# Altium PCB ARES_R30_Power.PcbDoc (part 3 of 3) (continued)
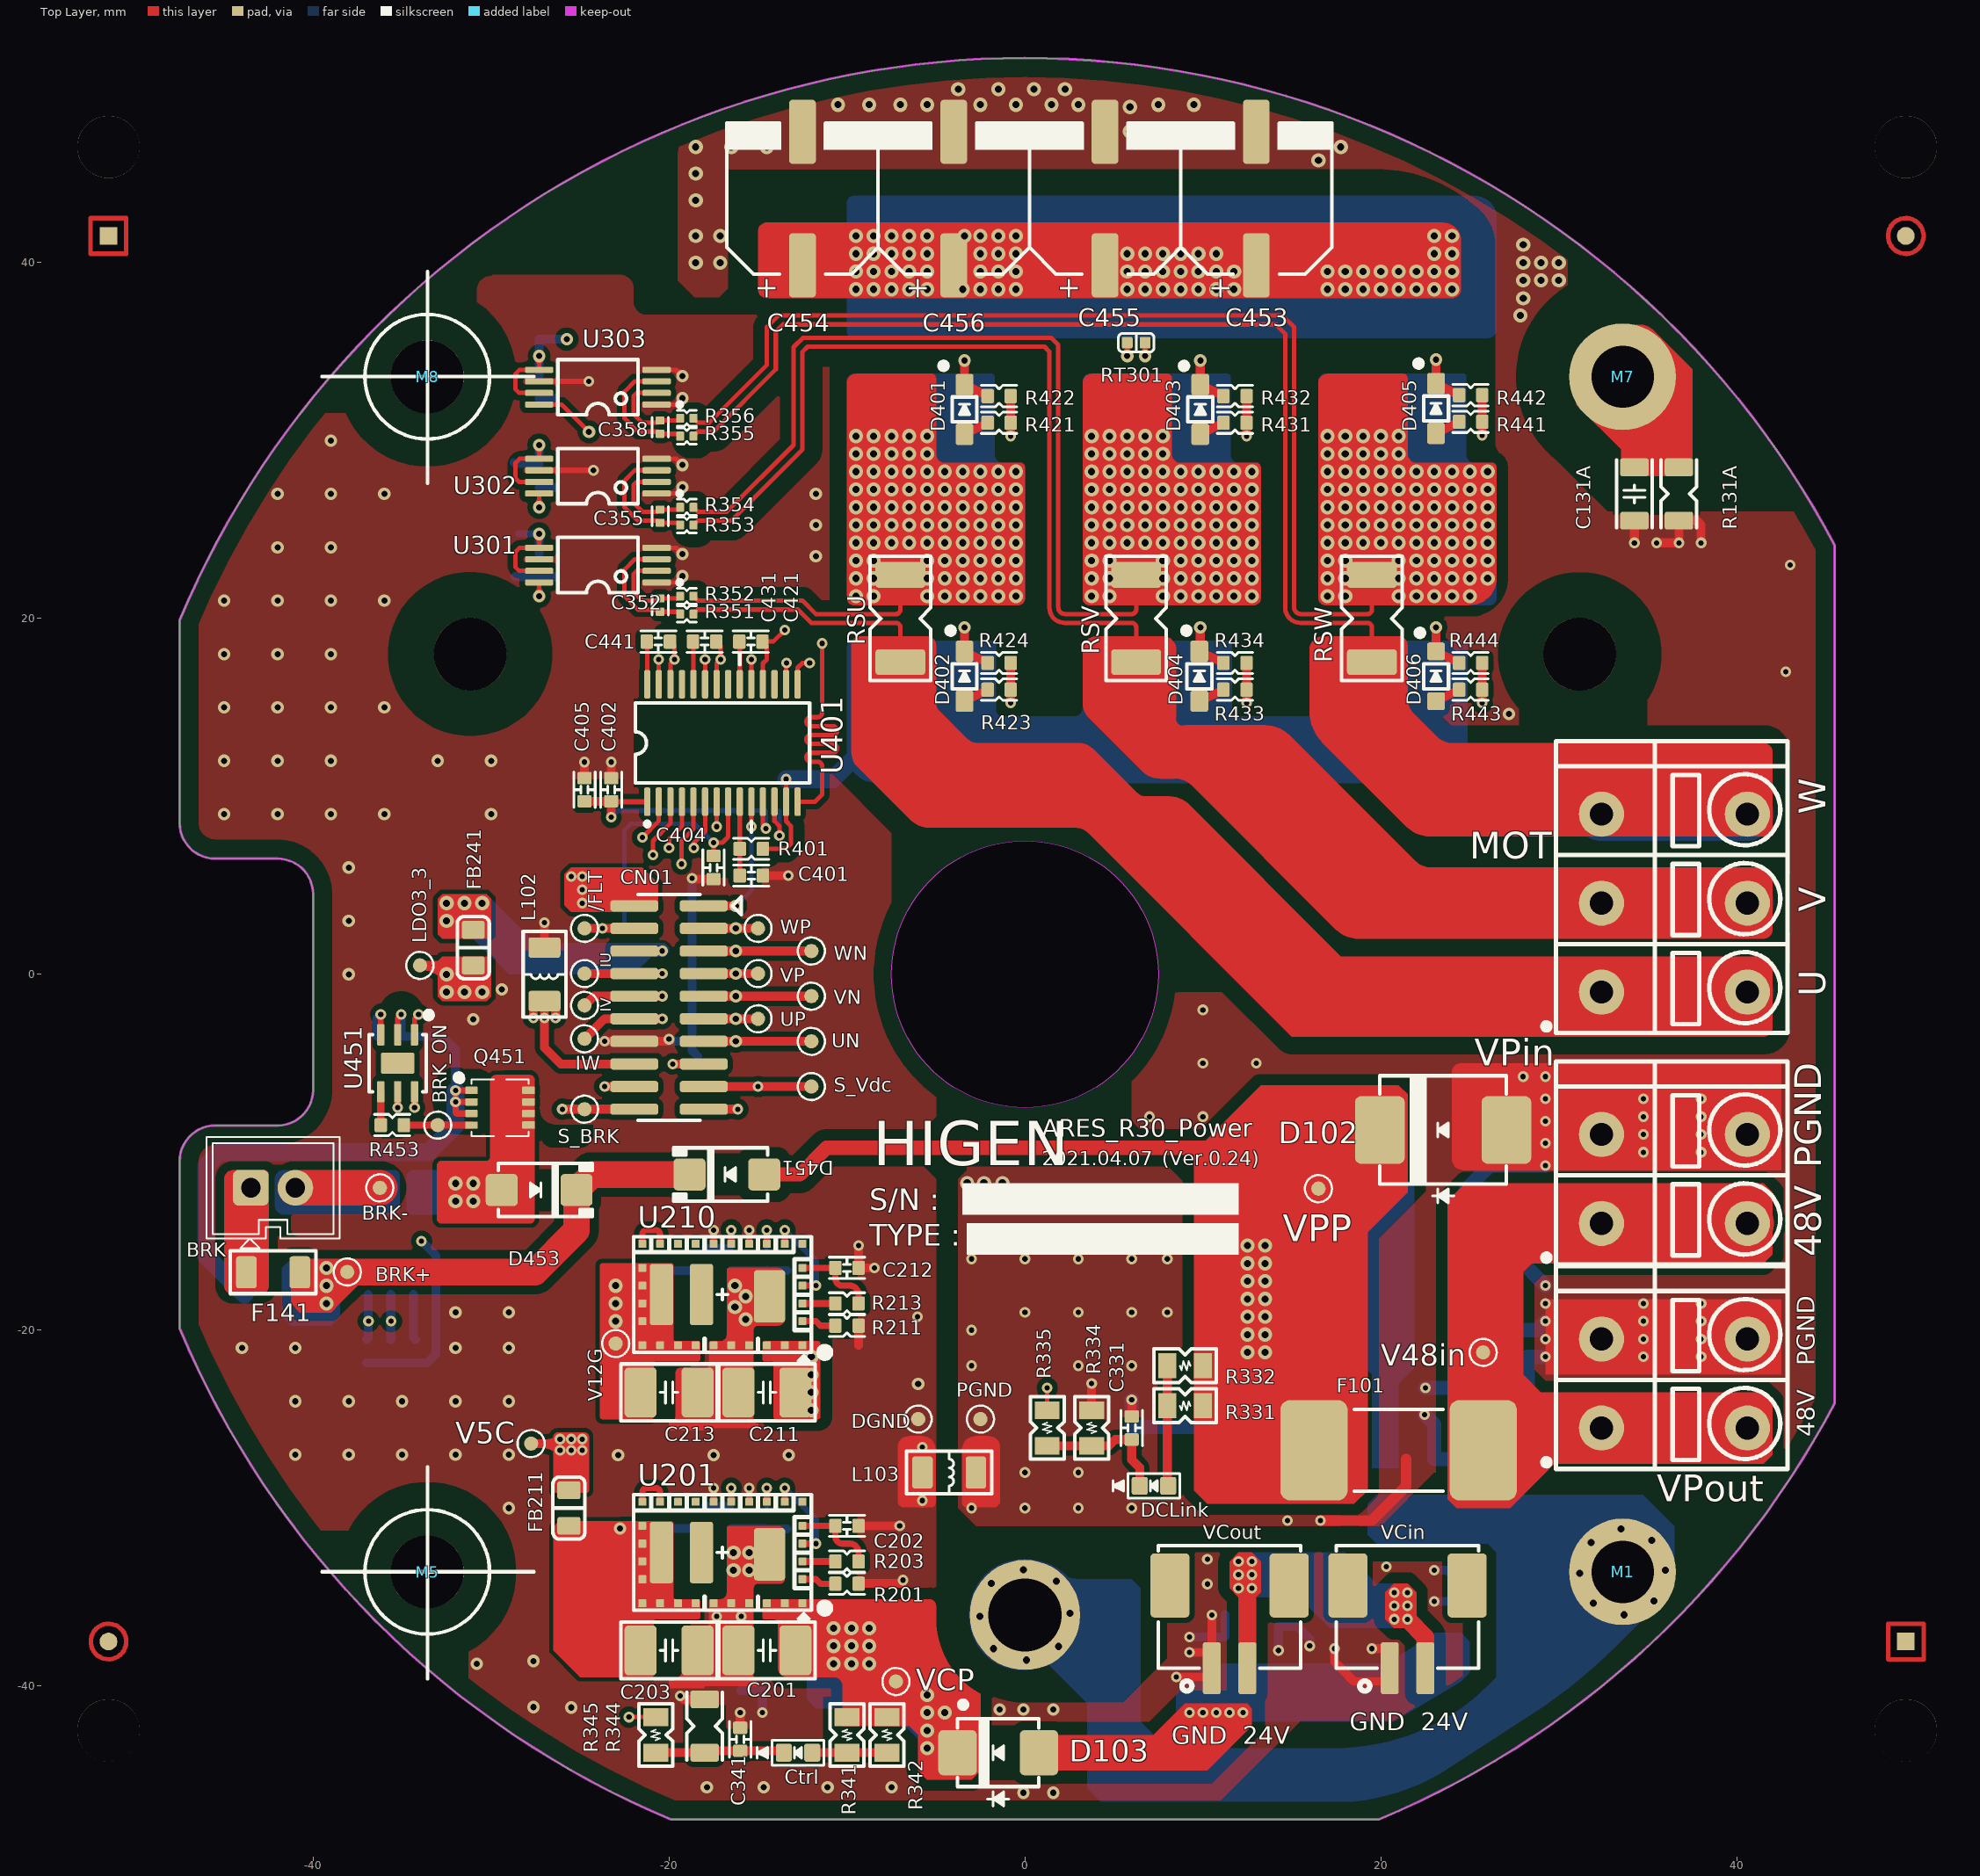
[diagram p0: Top Layer view]
## Other copper (continued)
  pour cut-out: 35,15.75 34.5,15.75 34.5,13.75 35,13.75
  pour cut-out: 27.75,15.25 28.25,15.25 28.25,13.75 27.75,13.75
  pour cut-out: 1.25,-42 7,-42 8.75,-40.25 13.5,-40.25 13.5,-42.5 10.5,-45.5 1.25,-45.5
  pour cut-out: 28.5,-17.5 29.25,-16.75 28.25,-16.75 28.25,-17.5
  pour cut-out: 19.75,-15 22.55,-12.2 22.55,-5.9 22.25,-5.6 20.9,-5.6 20.9,-13.35 19.75,-14.5
  pour cut-out: 9,-11.75 8,-10.75 9,-10.75
  pour cut-out: -5,-11.5 -5.75,-10.75 -5.75,-8.75 -4.75,-7.75 -3,-7.75 -3.25,-8 -3.25,-11 -3.75,-11.5
  pour cut-out: 34,26 32.75,26 29,29.75 30.75,29.75 34,26.5
  pour cut-out: 6.5,-8.75 6,-8.25 6,-5.75 5.5,-5.75 5.5,-9 6.5,-9
  region net NetC113_2: 10.25,-44.75 12.75,-42.25 12.75,-41.25 12.5,-41 9,-41 7,-43 7,-44.75
  region net V48P: 21,-6.25 21.5,-6.75 21.5,-12.25 19.25,-14.5 19.25,-29 18.5,-29.75 14.75,-29.75 10.25,-29.75 9.5,-29 9.5,-10 13.25,-6.25
  region net V48in: 41.5,-27.5 42,-27 42,-24 41.5,-23.5 29,-23.5 28,-22.5 28,-16.75 28.5,-16.25 41.5,-16.25 42,-15.75 42,-12.25 41.5,-11.75 24.75,-11.75 23.75,-12.75 23.75,-29.5 24.25,-30 27.25,-30 29.75,-27.5
  region net V24in: 13,-36.5 13,-35 13.25,-34.75 13.25,-33 12.75,-32.5 12,-32.5 11.5,-33 11.5,-34.5 12,-35 12,-36.5
  region net V24in: 20.75,-36.75 22,-36.75 22,-34.75 21.5,-34.25 20.75,-34.25 20.25,-34.75 20.25,-36.25
  region net BRK+: -41.25,-18.5 -40.75,-19 -39,-19 -38.5,-18.5 -37.25,-17.25 -37.25,-16 -41.25,-16
  region net V3_3D: -30.25,2 -30,2.25 -30,4.25 -30.25,4.5 -32.75,4.5 -33,4.25 -33,2.25 -32.75,2
  region net +3.3V: -30.25,1 -30,0.75 -30,-1.25 -30.25,-1.5 -32.75,-1.5 -33,-1.25 -33,0.75 -32.75,1
  region net +5V: -20.75,3.5 -20.625,3.625 -20.625,5.125 -21.5,6 -25.5,6 -25.875,5.625 -25.875,3.875 -25.5,3.5
  text "LY1_SIGNAL1 (TOP)" at -5.539,-66.775 h1
  text "1" at 22.461,-66.775 h1
Mid Layer 1:
  region net V48P: 5.5,41 12.25,41 cw(c12.25,40.5) 12.75,40.5 12.75,38.5 cw(c12.25,38.5) 12.25,38 5.5,38 cw(c5.5,38.5) 5,38.5 5,40.5 cw(c5.5,40.5)
  region net V48P: -4,41.5 cw(c-3.5,41.5) -3.5,42 -0.5,42 cw(c-0.5,41.5) 0,41.5 0,38.5 cw(c-0.5,38.5) -0.5,38 -3.5,38 cw(c-3.5,38.5) -4,38.5
  region net PGND: -3.75,-13 ccw(c-4.5,-13) -4.5,-12.25 -4.5,-11.25 ccw(c-4.5,-10.5) -3.75,-10.5 -3,-10.5 -3,-13
  region net V48P: 22.5,41.5 cw(c23,41.5) 23,42 24,42 cw(c24,41.5) 24.5,41.5 24.5,38.5 cw(c24,38.5) 24,38 17,38 cw(c17,38.5) 16.5,38.5 16.5,39.5 cw(c17,39.5) 17,40 22,40 ccw(c22,40.5) 22.5,40.5
  region net V24C: -12.5,-39 ccw(c-12,-39) -12,-39.5 -8.5,-39.5 ccw(c-8.5,-39) -8,-39 -8,-22.5 ccw(c-9.5,-22.5) -9.5,-21 -12,-21 ccw(c-12,-21.5) -12.5,-21.5 -12.5,-25 ccw(c-12,-25) -12,-25.5 -11.5,-25.5 cw(c-11.5,-26) -11,-26 -11,-34 cw(c-11.5,-34) -11.5,-34.5 -12,-34.5 ccw(c-12,-35) -12.5,-35
  region net PH_W: 17,20.75 cw(c17,21.25) 16.5,21.25 16.5,30.25 cw(c17,30.25) 17,30.75 21,30.75 cw(c21,30.25) 21.5,30.25 21.5,29.25 ccw(c22,29.25) 22,28.75 26,28.75 cw(c26,28.25) 26.5,28.25 26.5,22.375 cw(c24.875,22.375) 24.875,20.75
  region net PH_V: 3.75,20.75 cw(c3.75,21.25) 3.25,21.25 3.25,30.25 cw(c3.75,30.25) 3.75,30.75 7.75,30.75 cw(c7.75,30.25) 8.25,30.25 8.25,29.25 ccw(c8.75,29.25) 8.75,28.75 12.75,28.75 cw(c12.75,28.25) 13.25,28.25 13.25,21.25 cw(c12.75,21.25) 12.75,20.75
  region net PH_U: -9.5,20.75 cw(c-9.5,21.25) -10,21.25 -10,30.25 cw(c-9.5,30.25) -9.5,30.75 -5.5,30.75 cw(c-5.5,30.25) -5,30.25 -5,29.25 ccw(c-4.5,29.25) -4.5,28.75 -0.5,28.75 cw(c-0.5,28.25) 0,28.25 0,21.25 cw(c-0.5,21.25) -0.5,20.75
  region net V48P: -10,41.5 cw(c-9.5,41.5) -9.5,42 -5.5,42 cw(c-5.5,41.5) -5,41.5 -5,38.5 cw(c-5.5,38.5) -5.5,38 -9.5,38 cw(c-9.5,38.5) -10,38.5
  pour cut-out: -5.75,-10.25 -4.75,-9.25 -4.75,-14 -5,-14 -5.75,-13.25
  pour cut-out: -10,15.25 -9.25,16 -11.75,16 -11,15.25
  region net V48P: 12,-15 12.25,-14.75 16.75,-14.75 17,-15 17,-21.5 16.75,-21.75 12.25,-21.75 12,-21.5
  text "LY2_GND" at -3.8,-66.689 h1
  text "2" at 22.45,-66.939 h1
Mid Layer 2:
  region net V48P: 22.5,41.5 cw(c23,41.5) 23,42 24,42 cw(c24,41.5) 24.5,41.5 24.5,38.5 cw(c24,38.5) 24,38 17,38 cw(c17,38.5) 16.5,38.5 16.5,39.5 cw(c17,39.5) 17,40 22,40 ccw(c22,40.5) 22.5,40.5
  region net +5V: -26.5,-26.125 cw(c-26.125,-26.125) -26.125,-25.75 -24.875,-25.75 cw(c-24.875,-26.125) -24.5,-26.125 -24.5,-26.75 cw(c-24.875,-26.75) -24.875,-27.125 -26.125,-27.125 cw(c-26.125,-26.75) -26.5,-26.75
  region net PH_W: 17,20.75 cw(c17,21.25) 16.5,21.25 16.5,30.25 cw(c17,30.25) 17,30.75 21,30.75 cw(c21,30.25) 21.5,30.25 21.5,29.25 ccw(c22,29.25) 22,28.75 26,28.75 cw(c26,28.25) 26.5,28.25 26.5,22.25 cw(c25,22.25) 25,20.75
  region net PH_V: 3.75,20.75 cw(c3.75,21.25) 3.25,21.25 3.25,30.25 cw(c3.75,30.25) 3.75,30.75 7.75,30.75 cw(c7.75,30.25) 8.25,30.25 8.25,29.25 ccw(c8.75,29.25) 8.75,28.75 12.75,28.75 cw(c12.75,28.25) 13.25,28.25 13.25,21.25 cw(c12.75,21.25) 12.75,20.75
  region net PH_U: -9.5,20.75 cw(c-9.5,21.25) -10,21.25 -10,30.25 cw(c-9.5,30.25) -9.5,30.75 -5.5,30.75 cw(c-5.5,30.25) -5,30.25 -5,29.25 ccw(c-4.5,29.25) -4.5,28.75 -0.5,28.75 cw(c-0.5,28.25) 0,28.25 0,21.25 cw(c-0.5,21.25) -0.5,20.75
  region net V48P: 5.5,41 12.25,41 cw(c12.25,40.5) 12.75,40.5 12.75,38.5 cw(c12.25,38.5) 12.25,38 5.5,38 cw(c5.5,38.5) 5,38.5 5,40.5 cw(c5.5,40.5)
  region net V48P: -4,41.5 cw(c-3.5,41.5) -3.5,42 -0.5,42 cw(c-0.5,41.5) 0,41.5 0,38.5 cw(c-0.5,38.5) -0.5,38 -3.5,38 cw(c-3.5,38.5) -4,38.5
  region net V48P: -10,41.5 cw(c-9.5,41.5) -9.5,42 -5.5,42 cw(c-5.5,41.5) -5,41.5 -5,38.5 cw(c-5.5,38.5) -5.5,38 -9.5,38 cw(c-9.5,38.5) -10,38.5
  pour cut-out: -10,10.5 -10,11.25 -12.25,11.25 -12.25,10.5
  pour cut-out: -10,15.25 -8.75,16.5 -10.25,16.5 -10.25,15.25
  text "LY3_INNER 1" at -3.8,-66.689 h1
  text "3" at 22.45,-66.939 h1
Mid Layer 3:
  region net +5V: -25.875,5.5 cw(c-25.5,5.5) -25.5,5.875 -24.875,5.875 cw(c-24.875,5.5) -24.5,5.5 -24.5,4 cw(c-24.875,4) -24.875,3.625 cw(c-24.875,4) -25.25,4 -25.25,4.875 ccw(c-25.5,4.875) -25.5,5.125 cw(c-25.5,5.5) -25.875,5.5
  region net PH_U: -9.5,20.75 cw(c-9.5,21.25) -10,21.25 -10,30.25 cw(c-9.5,30.25) -9.5,30.75 -5.5,30.75 cw(c-5.5,30.25) -5,30.25 -5,29.25 ccw(c-4.5,29.25) -4.5,28.75 -0.5,28.75 cw(c-0.5,28.25) 0,28.25 0,21.25 cw(c-0.5,21.25) -0.5,20.75
  region net PH_V: 3.75,20.75 cw(c3.75,21.25) 3.25,21.25 3.25,30.25 cw(c3.75,30.25) 3.75,30.75 7.75,30.75 cw(c7.75,30.25) 8.25,30.25 8.25,29.25 ccw(c8.75,29.25) 8.75,28.75 12.75,28.75 cw(c12.75,28.25) 13.25,28.25 13.25,21.25 cw(c12.75,21.25) 12.75,20.75
  region net PH_W: 17,20.75 cw(c17,21.25) 16.5,21.25 16.5,30.25 cw(c17,30.25) 17,30.75 21,30.75 cw(c21,30.25) 21.5,30.25 21.5,29.25 ccw(c22,29.25) 22,28.75 26,28.75 cw(c26,28.25) 26.5,28.25 26.5,22.25 cw(c25,22.25) 25,20.75
  region net V48P: 24.5,38.5 24.5,41.5 ccw(c24,41.5) 24,42 -9.5,42 ccw(c-9.5,41.5) -10,41.5 -10,38.5 ccw(c-9.5,38.5) -9.5,38 24,38 ccw(c24,38.5)
  pour cut-out: -10.656,33 -10.656,29.156 ccw(c-10.5,29.156) -10.5,29 -10.25,29 ccw(c-10.25,29.25) -10,29.25 -10,32.75 ccw(c-10.25,32.75) -10.25,33
  pour cut-out: 34.25,25.5 38,25.5 38,23 34.25,23
  pour cut-out: 27.25,36.25 28.5,36.25 28.5,35.75 27.25,35.75
  region net +3.3V: -33,0.25 -32.75,0.5 -30.25,0.5 -30,0.25 -30,-1.25 -30.25,-1.5 -32.75,-1.5 -33,-1.25
  text "LY4_INNER 2" at -3.783,-66.75 h1
  text "4" at 22.467,-67 h1
Mid Layer 4:
  region net PH_W: 17,20.75 cw(c17,21.25) 16.5,21.25 16.5,30.25 cw(c17,30.25) 17,30.75 21,30.75 cw(c21,30.25) 21.5,30.25 21.5,29.25 ccw(c22,29.25) 22,28.75 26,28.75 cw(c26,28.25) 26.5,28.25 26.5,22.25 cw(c25,22.25) 25,20.75
  region net PH_V: 3.75,20.75 cw(c3.75,21.25) 3.25,21.25 3.25,30.25 cw(c3.75,30.25) 3.75,30.75 7.75,30.75 cw(c7.75,30.25) 8.25,30.25 8.25,29.25 ccw(c8.75,29.25) 8.75,28.75 12.75,28.75 cw(c12.75,28.25) 13.25,28.25 13.25,21.25 cw(c12.75,21.25) 12.75,20.75
  region net PH_U: -9.5,20.75 cw(c-9.5,21.25) -10,21.25 -10,30.25 cw(c-9.5,30.25) -9.5,30.75 -5.5,30.75 cw(c-5.5,30.25) -5,30.25 -5,29.25 ccw(c-4.5,29.25) -4.5,28.75 -0.5,28.75 cw(c-0.5,28.25) 0,28.25 0,21.25 cw(c-0.5,21.25) -0.5,20.75
  region net V48P: 24.5,38.5 24.5,41.625 ccw(c24.125,41.625) 24.125,42 -9.5,42 ccw(c-9.5,41.5) -10,41.5 -10,38.5 ccw(c-9.5,38.5) -9.5,38 24,38 ccw(c24,38.5)
  pour cut-out: -10.656,33 -10.656,29.156 ccw(c-10.5,29.156) -10.5,29 -10.25,29 ccw(c-10.25,29.25) -10,29.25 -10,32.75 ccw(c-10.25,32.75) -10.25,33
  pour cut-out: 34.25,25.5 38,25.5 38,23 34.25,23
  pour cut-out: 27.25,36.25 28.5,36.25 28.5,35.75 27.25,35.75
  text "LY5_VCC" at -3.8,-66.689 h1
  text "5" at 22.45,-66.939 h1
Bottom Layer:
  pour cut-out: 29.888,-1 29.888,9 cw(c32.4,9) 32.4,11.512 40.6,11.512 cw(c40.6,9) 43.112,9 43.112,-1 cw(c40.6,-1) 40.6,-3.512 32.4,-3.512 cw(c32.4,-1)
  region net FG: 6,-34 6.5,-34.5 6.5,-42 8,-43.5 17.404,-43.5 ccw(c17.404,-31.197) 26.104,-39.896 26.5,-39.5 26.5,-32.5 26,-32 19.75,-32 19.25,-31.5 19.25,-29.75 19.75,-29.25 34.75,-29.25 36.5,-31 36.5,-33.75 36.5,-34.5 33.36,-37.64 cw(c11.872,-16.153) 28.38,-41.666 24,-44.5 cw(c17.224,-34.429) 18.5,-46.5 4.25,-46.5 3.5,-45.75 3.5,-41 -0.5,-37 -0.5,-34
  region net BRK-: -35.4,-11 cw(c-35.4,-11.25) -35.15,-11.25 -35.15,-13.25 cw(c-35.4,-13.25) -35.4,-13.5 -41.65,-13.5 cw(c-41.65,-13) -42.15,-13 -42.15,-11.5 cw(c-41.65,-11.5) -41.65,-11
  region net FG: 5.75,-37.5 5.75,-34.25 ccw(c5.5,-34.25) 5.5,-34 3.082,-34 cw(c3.082,-32.293) 2.429,-33.87 ccw(c0.027,-36.272) 0.026,-32.875 -0.125,-32.875 ccw(c-0.125,-35.875) -3.125,-35.875 -3.125,-36.125 ccw(c-0.125,-36.125) -0.125,-39.125 ccw(c-0.125,-35.805) 2.25,-38.125 cw(c3.62,-40.395) 3.808,-37.75 5.5,-37.75 ccw(c5.5,-37.5)
  pour cut-out: 14.8,46.2 -9.8,46.2 ccw(c-9.8,45.341) -10.659,45.341 -10.659,42.659 ccw(c-10.5,42.659) -10.5,42.5 15.5,42.5 15.5,45.5 ccw(c14.8,45.5)
  region net V48P: 21.25,-11.5 12.5,-11.5 ccw(c12.5,-12) 12,-12 12,-21.5 ccw(c12.5,-21.5) 12.5,-22 21.375,-22 ccw(c21.375,-21.5) 21.875,-21.5 21.875,-12.125 ccw(c21.25,-12.125)
  region net V3_3D: -20.25,1.75 -20,1.5 -20,1.25 -20.25,1 -21,1 -22,0 -29,0 -31.5,2.5 -32.75,2.5 cw(c-32.75,2.75) -33,2.75 -33,4.25 -32.75,4.5 -30.25,4.5 -27.5,1.75
  pour cut-out: -41.849,-14.156 -44.366,-14.156 ccw(c-44.366,-14.63) -44.84,-14.63 -44.84,-10.59 cw(c-44.5,-10.59) -44.5,-10.25 -42.5,-10.25 cw(c-42.5,-10.5) -42.25,-10.5 -42.25,-13.25 ccw(c-41.75,-13.25) -41.75,-13.75
  region net PH_W: 16.875,33.75 24.65,33.75 cw(c24.65,33.6) 24.8,33.6 24.8,29.2 ccw(c25.25,29.2) 25.25,28.75 26.25,28.75 cw(c26.25,28.5) 26.5,28.5 26.5,21.125 cw(c26.125,21.125) 26.125,20.75 16.875,20.75 cw(c16.875,21.125) 16.5,21.125 16.5,33.375 cw(c16.875,33.375)
  region net PH_V: 3.625,33.75 11.4,33.75 cw(c11.4,33.6) 11.55,33.6 11.55,29.2 ccw(c12,29.2) 12,28.75 13,28.75 cw(c13,28.5) 13.25,28.5 13.25,21.125 cw(c12.875,21.125) 12.875,20.75 3.625,20.75 cw(c3.625,21.125) 3.25,21.125 3.25,33.375 cw(c3.625,33.375)
  region net PH_U: -9.625,33.75 -1.85,33.75 cw(c-1.85,33.6) -1.7,33.6 -1.7,29.2 ccw(c-1.25,29.2) -1.25,28.75 -0.25,28.75 cw(c-0.25,28.5) 0,28.5 0,21.125 cw(c-0.375,21.125) -0.375,20.75 -9.625,20.75 cw(c-9.625,21.125) -10,21.125 -10,33.375 cw(c-9.625,33.375)
  region net V48P: -10,36.125 ccw(c-9.625,36.125) -9.625,35.75 26,35.75 ccw(c26,36.25) 26.5,36.25 26.5,42.525 ccw(c25.275,42.525) 25.275,43.75 -9.625,43.75 ccw(c-9.625,43.375) -10,43.375
  region net DRV_COM: -10,18.375 cw(c-9.625,18.375) -9.625,18.75 -1.875,18.75 cw(c-1.875,18.5) -1.625,18.5 -1.625,14.875 ccw(c-1.25,14.875) -1.25,14.5 2.75,14.5 ccw(c2.75,15) 3.25,15 3.25,18.375 cw(c3.625,18.375) 3.625,18.75 11.375,18.75 cw(c11.375,18.5) 11.625,18.5 11.625,14.875 ccw(c12,14.875) 12,14.5 16.125,14.5 ccw(c16.125,14.875) 16.5,14.875 16.5,18.5 cw(c16.75,18.5) 16.75,18.75 24.625,18.75 cw(c24.625,18.5) 24.875,18.5 24.875,11.625 cw(c24,11.625) 24,10.75 -8.311,10.75 cw(c-8.311,12.439) -10,12.439
  pour cut-out: -10.656,17.021 -10.656,36.094 cw(c-10.375,36.094) -10.375,36.375 -4.625,36.375 cw(c-4.625,36) -4.25,36 -4.25,19.5 cw(c-4.875,19.5) -4.875,18.875 -9.75,18.875 ccw(c-9.75,18.25) -10.375,18.25 -10.375,17.125 cw(c-10.5,17.125) -10.5,17
  pour cut-out: 26.308,18.61 26.308,20.001 cw(c26.45,20.001) 26.45,20.144 25.231,20.144 25.231,18.769 ccw(c25.375,18.769) 25.375,18.625
  pour cut-out: 22.2,45.5 28.4,45.5 28.4,41.9 27.6,41.9 27,41.3 26.9,41.4 26.9,44 22.2,44 21.9,44.3 21.9,44.4 22.2,44.7
  pour cut-out: -8.5,46.7 9.6,46.7 9.6,45.8 -8.5,45.8
  pour cut-out: 18,-23.7 18.9,-24.6 18.9,-23.4 18,-23.4
  pour cut-out: 19.8,-38.3 20.1,-38 20.1,-37.7 19.9,-37.5 19.9,-37.3 20.5,-37.3 20.5,-38.3
  pour cut-out: 0,16 0,14.75 2.25,14.75 2.25,16
  pour cut-out: -7.5,9.25 -7.5,10.75 24.878,10.75 25.75,11.622 25.75,21.088 25.75,22.5 31.5,22.5 32.384,17.634 26.5,11.75 26.5,10 26.5,8.75 25.627,8 7.75,8 6.5,9.25
  region net V48P: 21,-27.75 21,-23 21.875,-22.125 21.875,-20.875 21.5,-20.5 19,-20.5 19,-22 19.5,-22.5 19.5,-27.75
  pour cut-out: 43.9,-28 43.9,-29.25 18.25,-29.25 18.25,-28
  region net V24in: 17.139,-36.75 15.389,-35 12,-35 11.5,-34.5 11.5,-33 12,-32.5 18,-32.5 19.75,-34.25 21.5,-34.25 22,-34.75 22,-36.25 21.5,-36.75
  region net NetC113_2: 9,-42 19.75,-42 20.75,-42 24.5,-39.75 25,-39.25 25,-37.5 24.5,-37 23.063,-37 20.314,-38.75 10.25,-38.75 8.5,-40.5 8.5,-41.5
  region net BRKout: -30.25,-11.25 -30.5,-11 -34.5,-11 -34.75,-11.25 -34.75,-13.25 -34.5,-13.5 -30.5,-13.5 -30.25,-13.25
  region net BRK+: -41.25,-19.75 -41.75,-19.25 -41.75,-16.5 -41.25,-16 -39,-16 -38.5,-16.5 -38.5,-19.25 -39,-19.75
  region net V24C: -8.25,-36.25 -3.5,-41 -3.5,-44.75 -4,-45.25 -5.5,-45.25 -6,-44.75 -6,-43 -7.75,-41.25 -9,-41.25 -9.25,-41 -9.25,-36.25
  region net V24C: -12.25,-40.75 -11.75,-41.25 -8.5,-41.25 -8,-40.75 -8,-36.5 -8.5,-36 -11.75,-36 -12.25,-36.5
  text "LY6_SIGNAL4 (BOTTOM)" at -7.789,-66.775 h1
  text "6" at 22.461,-66.775 h1
Multi-Layer:
  pour cut-out: -0.016,8.5 ccw(c-0.016,0.016) -8.5,0.016 -8.5,-0.016 ccw(c-0.016,-0.016) -0.016,-8.5 0.016,-8.5 ccw(c0.016,-0.016) 8.5,-0.016 8.5,0.016 ccw(c0.016,0.016) 0.016,8.5
  region net +5V: -26.5,-26.125 cw(c-26.125,-26.125) -26.125,-25.75 -24.875,-25.75 cw(c-24.875,-26.125) -24.5,-26.125 -24.5,-26.75 cw(c-24.875,-26.75) -24.875,-27.125 -26.125,-27.125 cw(c-26.125,-26.75) -26.5,-26.75
  pour cut-out: 31.177,13.4 cw(c31.177,18) 26.577,18 cw(c31.177,18) 31.177,22.6 cw(c31.177,18) 35.777,18 cw(c31.177,18)
  pour cut-out: -31.177,13.4 cw(c-31.177,18) -35.777,18 cw(c-31.177,18) -31.177,22.6 cw(c-31.177,18) -26.577,18 cw(c-31.177,18)
  pour cut-out: 0,-40.6 cw(c0,-36) -4.6,-36 cw(c0,-36) 0,-31.4 cw(c0,-36) 4.6,-36 cw(c0,-36)
  pour cut-out: -30.787,37.237 -30.787,38.463 cw(c-30,38.463) -30,39.25 -31.947,39.25 ccw(c-31.947,39.056) -32.14,39.056 -32.14,37.39 ccw(c-31.875,37.39) -31.875,37.125
  pour cut-out: -37.722,31.549 -39.799,31.549 cw(c-39.799,31.875) -40.125,31.875 -40.125,32 cw(c-39.875,32) -39.875,32.25 -37.625,32.25 cw(c-37.625,32.125) -37.5,32.125 -37.5,31.771 cw(c-37.722,31.771)
  pour cut-out: -3.75,-9 -3.25,-8.5 0,-8.5 0,-8.25 -4.25,-8.25 -4.25,-9
  pour cut-out: -32,-37.75 -32,-39.75 -31.25,-39.75 -31.25,-37.75
  pour cut-out: -37.75,-31.25 -39.75,-31.25 -39.75,-32 -37.75,-32
  pour cut-out: 30.5,38.5 30.5,40.75 31,40.75 31,38.5
  pour cut-out: -22,15.5 -22,10.5 -12,10.5 -12,15.5
  pour cut-out: 18.75,-28 18.75,-31.25 19.5,-32 25.5,-32 26,-32.5 26,-39.5 25.75,-39.75 24.6,-39.75 24.6,-33.1 24.5,-33 19,-33 17.75,-31.75 17.75,-28
  pour cut-out: -7.5,8.25 -7.5,3.25 -7,3.25 -7,8.25
  pour cut-out: 29.25,29.5 32.75,26 43.25,26 45,26 45,27.75 43.25,29.5
  region net V24C: -8.5,-39.25 -11,-39.25 -11.25,-39 -11.25,-36.5 -11,-36.25 -8.5,-36.25 -8.25,-36.5 -8.25,-39
  lines w0.8 net +12V: -23,-19.5 -23,-18.5 -23,-17.5
  lines w0.8 net V24C: -12,-24.5 -12,-21.5

## Silkscreen, mask and mechanical layers (free items; w line width, h text height)
Top Overlay:
  circle w0.1: c29.3,-2.925 r0.304
  circle w0.1: c29.3,-15.925 r0.304
  circle w0.1: c29.3,-27.425 r0.304
  circle w0.1: c-33.508,-2.297 r0.304
  circle w0.1: c-31.815,-5.804 r0.304
  circle w0.1: c22.196,19.19 r0.304
  circle w0.1: c9.071,19.315 r0.304
  circle w0.1: c-4.179,19.315 r0.304
  circle w0.1: c8.94,34.196 r0.304
  circle w0.1: c22.117,34.328 r0.304
  circle w0.254: c-11.25,-21.25 r0.354
  circle w0.254: c-11.25,-35.625 r0.354
  circle w0.1: c-4.575,34.2 r0.304
  region: -11.604,-21.25 ccw(c-11.25,-21.25) -11.25,-21.604 ccw(c-11.25,-21.25) -10.896,-21.25 ccw(c-11.25,-21.25) -11.25,-20.896 ccw(c-11.25,-21.25)
  region: -11.604,-35.625 ccw(c-11.25,-35.625) -11.25,-35.979 ccw(c-11.25,-35.625) -10.896,-35.625 ccw(c-11.25,-35.625) -11.25,-35.271 ccw(c-11.25,-35.625)
  region: 29.3,-3.229 cw(c29.3,-2.925) 28.996,-2.925 cw(c29.3,-2.925) 29.3,-2.621 cw(c29.3,-2.925) 29.604,-2.925 cw(c29.3,-2.925)
  region: 29.3,-16.229 cw(c29.3,-15.925) 28.996,-15.925 cw(c29.3,-15.925) 29.3,-15.621 cw(c29.3,-15.925) 29.604,-15.925 cw(c29.3,-15.925)
  region: 29.3,-27.729 cw(c29.3,-27.425) 28.996,-27.425 cw(c29.3,-27.425) 29.3,-27.121 cw(c29.3,-27.425) 29.604,-27.425 cw(c29.3,-27.425)
  region: -33.508,-2.601 cw(c-33.508,-2.297) -33.812,-2.297 cw(c-33.508,-2.297) -33.508,-1.993 cw(c-33.508,-2.297) -33.204,-2.297 cw(c-33.508,-2.297)
  region: -31.815,-6.108 cw(c-31.815,-5.804) -32.119,-5.804 cw(c-31.815,-5.804) -31.815,-5.5 cw(c-31.815,-5.804) -31.51,-5.804 cw(c-31.815,-5.804)
  region: 22.196,18.885 cw(c22.196,19.19) 21.892,19.19 cw(c22.196,19.19) 22.196,19.494 cw(c22.196,19.19) 22.5,19.19 cw(c22.196,19.19)
  region: 9.071,19.01 cw(c9.071,19.315) 8.767,19.315 cw(c9.071,19.315) 9.071,19.619 cw(c9.071,19.315) 9.375,19.315 cw(c9.071,19.315)
  region: -4.179,19.01 cw(c-4.179,19.315) -4.483,19.315 cw(c-4.179,19.315) -4.179,19.619 cw(c-4.179,19.315) -3.875,19.315 cw(c-4.179,19.315)
  region: 8.94,33.892 cw(c8.94,34.196) 8.635,34.196 cw(c8.94,34.196) 8.94,34.5 cw(c8.94,34.196) 9.244,34.196 cw(c8.94,34.196)
  region: 22.117,34.024 cw(c22.117,34.328) 21.813,34.328 cw(c22.117,34.328) 22.117,34.632 cw(c22.117,34.328) 22.421,34.328 cw(c22.117,34.328)
  region: -4.575,33.896 cw(c-4.575,34.2) -4.879,34.2 cw(c-4.575,34.2) -4.575,34.504 cw(c-4.575,34.2) -4.271,34.2 cw(c-4.575,34.2)
  region: -3.25,-15.75 -3.25,-14 12,-14 12,-15.75
  region: -3.5,-13.5 -3.5,-11.75 12,-11.75 12,-13.5
  lines w0.25: -21.925,-30.125 -13,-30.125 -13,-29.275 ; -21.925,-15.625 -13,-15.625 -13,-14.775 ; -21,-30.1 -21,-29.275 ; -21,-15.6 -21,-14.775 ; -20,-30.025 -20,-29.275 ; -20,-15.525 -20,-14.775 ; -19,-30.025 -19,-29.275 ; -19,-15.525 -19,-14.775 ; -18,-35.725 -18,-34.975 ; -18,-30.025 -18,-29.275 ; -18,-21.225 -18,-20.475 ; -18,-15.525 -18,-14.775 ; -17,-30.025 -17,-29.275 ; -17,-15.525 -17,-14.775 ; -16,-30.025 -16,-29.275 ; -16,-15.525 -16,-14.775 ; -15,-35.725 -15,-34.975 ; -15,-30.025 -15,-29.275 ; -15,-21.225 -15,-20.475 ; -15,-15.525 -15,-14.775 ; -14,-30.025 -14,-29.275 ; -14,-15.525 -14,-14.775 ; -12.95,-33.5 -12.125,-33.5 ; -12.95,-32.5 -12.075,-32.5 ; -12.95,-31.75 -12.95,-30.5 -12.125,-30.5 ; -12.95,-19 -12.125,-19 ; -12.95,-18 -12.075,-18 ; -12.95,-17.25 -12.95,-16 -12.125,-16 ; -12.125,-34.5 -12.95,-34.5 -12.95,-31.5 -12.125,-31.5 ; -12.125,-20 -12.95,-20 -12.95,-17 -12.125,-17
  text "W" at 45,9 h1.5 r90
  text "V" at 45,3.5 h1.5 r90
  text "U" at 45,-1.25 h1.5 r90
  text "ARES_R30_Power" at 0.965,-9.125 h1
  text "HIGEN" at -8.535,-10.75 h2.5
  text "2021.04.07" at 0.965,-10.75 h0.8
  text "(Ver.0.24)" at 7.715,-10.75 h0.8
  text "PGND" at 44.75,-10.875 h1.5 r90
  text "S/N :" at -8.75,-13.25 h1.2
  text "TYPE :" at -8.75,-15.25 h1.2
  text "48V" at 44.75,-15.875 h1.5 r90
  text "PGND" at 44.375,-22 h1 r90
  text "48V" at 44.375,-26 h1 r90
  text "GND" at 18.25,-42.5 h1
  text "24V" at 22.25,-42.5 h1
  text "GND" at 8.25,-43.25 h1
  text "24V" at 12.25,-43.25 h1
  text "TOP SILKSCREEN" at -5.289,-66.775 h1
Bottom Overlay:
  lines w0.254: -21.994,0.5 ccw(c0,0) -16.625,-14.408 ; -21.779,3.111 cw(c0,0) -20.426,8.171 ; -14.23,4.743 cw(c0,0) 7.111,13.207 ; -14.154,-4.966 ccw(c0,0) 13.638,6.245 ; -13.364,-17.476 ccw(c0,0) 0.483,-21.995 ccw(c0,0) 21.553,4.411
  text "W" at 36.875,8.125 h1.5 r270
  text "V" at 36.875,3.375 h1.5 r270
  text "U" at 36.875,-1.625 h1.5 r270
  text "PGND" at 39.125,-10 h1.5
  text "48V" at 38.375,-14.875 h1.5
  text "PGND" at 39,-21.25 h1.5
  text "48V" at 38.5,-26.25 h1.5
  text "BOTTOM SILKSCREEN" at -6.539,-66.775 h1
Top Solder:
  lines w2: -7,16.5 -7,13.5 -4.25,10.75 3.5,10.75 6.25,8 7.5,8 16.5,-1 28,-1 ; 6.25,16.5 6.25,14.25 8,12.5 11.75,12.5 20.25,4 28,4 ; 19.5,16.5 19.5,13.5 23,10 27.75,10
  text "TOP SOLDER MASK" at -6.039,-66.775 h1
Bottom Solder:
  text "BOTTOM SOLDER MASK" at -7.539,-66.775 h1
Mechanical 2:
  drawing of 159 lines, arcs and shapes, not listed
MAIN-LINE:
  circle w0.254: c-25,-25 r2.75
  circle w0.254: c-25,25 r2.75
  circle w0.254: c25,-25 r2.75
  region: -22.25,-25 cw(c-25,-25) -25,-27.75 cw(c-25,-25) -27.75,-25 cw(c-25,-25) -25,-22.25 cw(c-25,-25)
  region: -25,22.25 cw(c-25,25) -27.75,25 cw(c-25,25) -25,27.75 cw(c-25,25) -22.25,25 cw(c-25,25)
  region: 25,-22.25 cw(c25,-25) 27.75,-25 cw(c25,-25) 25,-27.75 cw(c25,-25) 22.25,-25 cw(c25,-25)
  lines w0.013: -7.502,0 cw(c-7.5,0) -7.498,0 cw(c-7.5,0) -7.502,0 ; -7.5,0 ccw(c0,0) 7.5,0 ccw(c0,0) -7.5,0 ; 7.498,0 cw(c7.5,0) 7.502,0 cw(c7.5,0) 7.498,0
  lines w0.2: -39.003,0 cw(c-39,0) -38.998,0 ; -39.003,0 ccw(c-39,0) -38.998,0 ; -39.003,0 cw(c-39,0) -38.998,0 ; -39.003,0 ccw(c-39,0) -38.998,0 ; -0.002,-39 cw(c0,-39) 0.002,-39 ; -0.002,-39 ccw(c0,-39) 0.002,-39 ; -0.002,-39 cw(c0,-39) 0.002,-39 ; -0.002,-39 ccw(c0,-39) 0.002,-39 ; 2.997,-36 cw(c3,-36) 3.002,-36 ; 2.997,-36 ccw(c3,-36) 3.002,-36 ; 2.997,-36 cw(c3,-36) 3.002,-36 ; 2.997,-36 ccw(c3,-36) 3.002,-36 ; 2.998,-29.904 cw(c3,-29.904) 3.003,-29.904 ; 2.998,-29.904 ccw(c3,-29.904) 3.003,-29.904 ; 2.997,-29.904 cw(c3,-29.904) 3.002,-29.904 ; 2.997,-29.904 ccw(c3,-29.904) 3.002,-29.904 ; 5.407,-26.963 cw(c5.41,-26.963) 5.412,-26.963 ; 5.407,-26.963 ccw(c5.41,-26.963) 5.412,-26.963 ; 5.407,-26.963 cw(c5.41,-26.963) 5.412,-26.963 ; 5.407,-26.963 ccw(c5.41,-26.963) 5.412,-26.963 ; 23.569,-14.165 cw(c23.571,-14.165) 23.574,-14.165 ; 23.569,-14.165 ccw(c23.571,-14.165) 23.574,-14.165 ; 23.569,-14.165 cw(c23.571,-14.165) 23.574,-14.165 ; 23.569,-14.165 ccw(c23.571,-14.165) 23.574,-14.165 ; 23.998,-12.619 cw(c24,-12.619) 24.002,-12.619 ; 23.998,-12.619 ccw(c24,-12.619) 24.002,-12.619 ; 23.998,-12.619 cw(c24,-12.619) 24.002,-12.619 ; 23.998,-12.619 ccw(c24,-12.619) 24.002,-12.619 ; 23.998,11.5 cw(c24,11.5) 24.002,11.5 ; 23.998,11.5 ccw(c24,11.5) 24.002,11.5 ; 23.998,11.5 cw(c24,11.5) 24.002,11.5 ; 23.998,11.5 ccw(c24,11.5) 24.002,11.5 ; 26.498,14 cw(c26.5,14) 26.502,14 ; 26.498,14 ccw(c26.5,14) 26.502,14 ; 26.498,14 cw(c26.5,14) 26.502,14 ; 26.498,14 ccw(c26.5,14) 26.502,14 ; 31.731,14 cw(c31.733,14) 31.736,14 ; 31.731,14 ccw(c31.733,14) 31.736,14 ; 31.731,14 cw(c31.733,14) 31.736,14 ; 31.731,14 ccw(c31.733,14) 31.736,14 ; 34.375,18.417 cw(c34.378,18.417) 34.38,18.417 ; 34.375,18.417 ccw(c34.378,18.417) 34.38,18.417 ; 34.375,18.417 cw(c34.378,18.417) 34.38,18.417 ; 34.375,18.417 ccw(c34.378,18.417) 34.38,18.417 ; -39,0 cw(c0,0) 34.378,18.417 cw(c31.733,17) 31.733,14 26.5,14 ccw(c26.5,11.5) 24,11.5 24,-12.619 cw(c21,-12.619) 23.571,-14.165 cw(c0,0) 5.41,-26.963 ccw(c6,-29.904) 3,-29.904 3,-36 cw(c0,-36) 0,-39 cw(c0,0) -39,0
Drill Drawing:
  text "DRILL" at 0.211,-66.775 h1
Mechanical 20:
  drawing of 929 lines, arcs and shapes, not listed
  text "Guide" at -51,30 h4 r90
  text "Guide" at 51,21 h4 r90
  text "Router" at -4.828,-1.41 h4
  text "Router" at -43.09,-6.578 h4 r90
  text "STACKUP (6LY)" at 73.433,-35.712 h1
  text "* Note" at 104.5,-37.25 h2
  text "TOP-SILK" at 64.283,-39.35 h1
  text "TOP-MASK" at 64.283,-42.1 h1
  text "1.  PHY1-TOP" at 61.533,-45.1 h1
  text "2.  PHY2-GND" at 61.033,-48.25 h1
  text "3.  PHY3-INNER1" at 61.033,-51.25 h1
  text "4.  PHY4-INNER2" at 60.783,-54.25 h1
  text "5.  PHY5-VCC" at 60.783,-57.25 h1
  text "6.  PHY6-BOTTOM" at 60.783,-59.85 h1
  text "HOME PAGE  www.bkec.co.kr" at 17.301,-59.9 h1.25
  text "BOTTOM-MASK" at 64.283,-62.85 h1
  text "TEL  031-456-2580" at 17.301,-62.9 h1.25
  text "BOTTOM-SILK" at 64.283,-65.85 h1
  text "ARES_R30_Power" at -42.5,-66.5 h1
  text "LAYER" at -22.046,-66.692 h1
  text "LY:" at 18.251,-66.7 h1
  text "1.6T / 6LY" at 39.95,-66.689 h1
  text "PCB NAME" at -58.466,-66.828 h1
  text "THICKNESS" at 27.502,-66.858 h1
  text "Grid" at 79.333,-70.423 h1
  text "DATE" at -21.647,-70.609 h1
  text "DESIGNER" at -58.42,-70.634 h1
  text "SIZE" at 29.83,-70.669 h1
  text "REV." at 11.509,-70.709 h1
  text "Y.G KIM" at -38.709,-70.73 h1
  text "2021/04/06" at -6.197,-70.73 h1
  text "0.24" at 20.46,-70.768 h1
  text "93 X 95" at 39.961,-70.775 h1
  text "Place move grid" at 62.333,-74.34 h1
  text "0.25mm" at 82.883,-74.495 h1
  text "BK NUMBER" at -10.299,-74.75 h1
  text "GUIDE + SIZE" at 20.701,-74.75 h1
  text "BK210076" at 4.961,-74.775 h1
  text "109 X 99" at 39.961,-74.775 h1
  text "0.1mm" at 82.783,-77.195 h1
  text "Routing grid" at 62.333,-77.34 h1

## Dimensions
-47.5,52 to -47.5,53.75 on Mechanical 16
45.5,51.5 to 45.5,53.25 on Mechanical 16

## Text inside footprints (layer, text, board x,y; h text height)
C116: Bottom Overlay "+" at -8.5,-39.25 h1.2
C132: Bottom Overlay "+" at 13.75,-18 h1.2 r90
C453: Top Overlay "+" at 11.5,37.85 h1.2 r90
C454: Top Overlay "+" at -14,37.85 h1.2 r90
C455: Top Overlay "+" at 3,37.85 h1.2 r90
C456: Top Overlay "+" at -5.5,37.85 h1.2 r90